# Altium PCB RemoteCtrl-V2.PcbDoc (part 2 of 4)
Units mil, origin at the board's own origin, x right, y up, seen from the top; angles counter-clockwise.
Board outline 3937.01 x 3700.79 mil, 2 copper layers (Top Layer, Bottom Layer); 118 components, 110 nets, 611 pads, 205 vias.
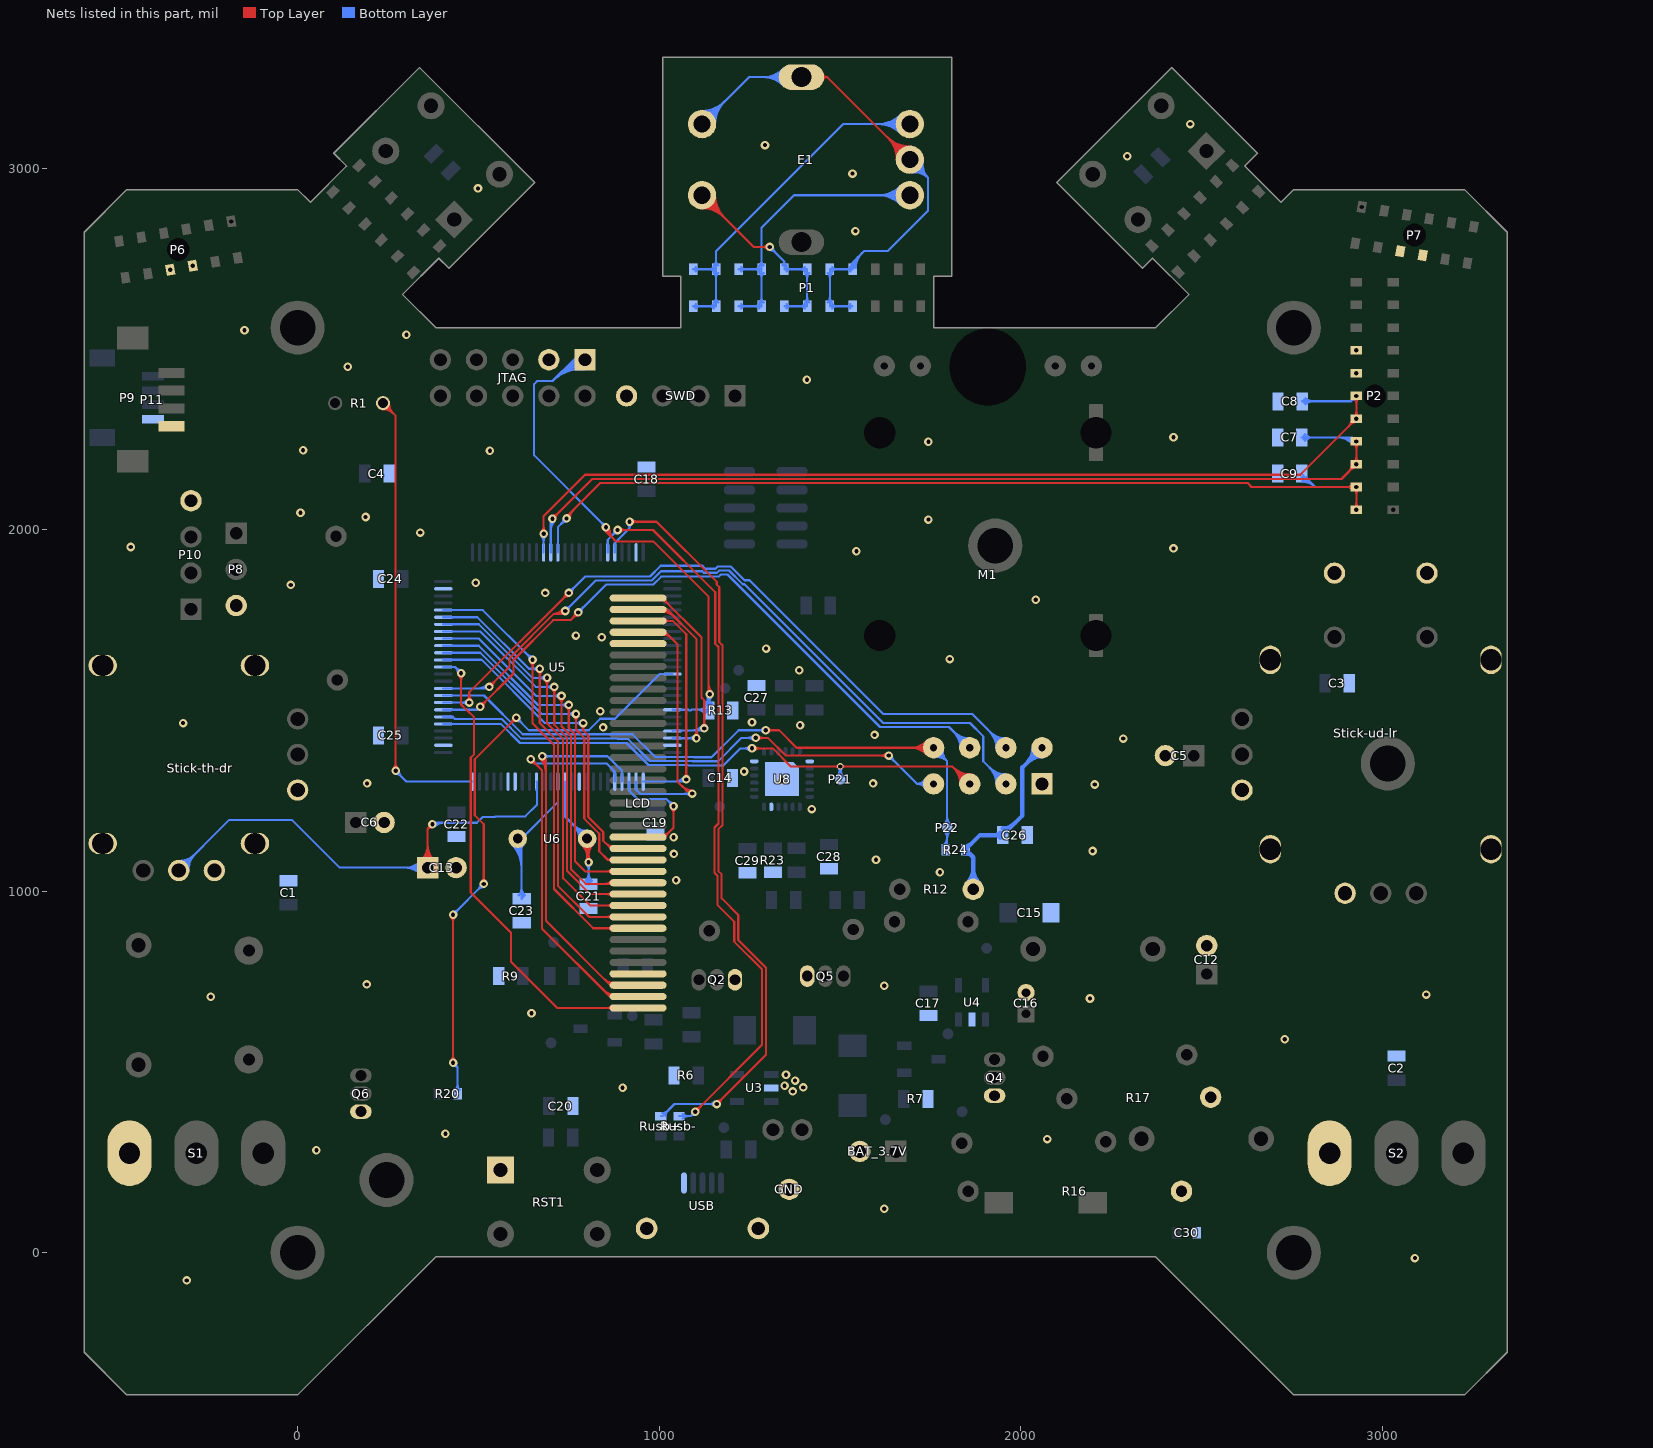
[diagram p2: the nets of this part, all layers, seen from the top]

## Via types
v1: diameter 23.62, hole 11.81, Top Layer to Bottom Layer, 200 vias
v2: diameter 17.72, hole 11.81, Top Layer to Bottom Layer, 3 vias
v3: diameter 17, hole 17, Top Layer to Bottom Layer, tented both sides, 2 vias

## Nets (pads, with @x,y where several pads share a name; then routed paths per layer and width w, separated by ;. In a path a pad name is that pad's centre, name@x,y a point inside that pad or via, vN(x,y) a via of type N, cw(c..) or ccw(c..) an arc to the next point about the centre after c; other vN are vias at no path point) (continued)
BOOT: JTAG.1 R13.1 U5.94 | length 2329.8
  Top Layer w6: v1@849.81,2007 ccw(c871.08,2007) 856.04,1991.96 ; v1@850.36,1998.59 cw(c849.23,1995) 853,1995 ; v1(853,2007) 853,1995 ; v1@855.64,1998.59 ccw(c856.77,1995) 853,1995 ; v1@855.81,2007 ccw(c891.57,2007) 866.28,1981.72 ; v1@861.81,2007 ccw(c912.05,2007) 876.53,1971.47 ; v1@1133.77,1551.23 ccw(c1125.97,1559.03) 1137,1559.03 ccw(c1154.03,1559.03) v1@1141.99,1546.99 ; 1137,1573.51 ccw(c1168.52,1573.51) v1@1146.23,1551.23 ; v1(1140,1545) 1137,1548 1137,1814.02 983.4,1967.61 880.39,1967.61 853,1995
  Bottom Layer w6: 714.43,2420.28 cw(c785.75,2348.96) JTAG.1@793.44,2449.53 ; 723.66,2429.51 cw(c787.06,2366.11) JTAG.1@793.89,2455.51 ; 732.89,2438.74 cw(c788.37,2383.26) JTAG.1@794.35,2461.5 ; 742.12,2447.97 cw(c789.68,2400.41) JTAG.1@794.81,2467.48 ; 751.35,2457.21 cw(c790.99,2417.56) JTAG.1@795.27,2473.46 ; 760.59,2466.44 cw(c792.31,2434.72) JTAG.1@795.72,2479.44 ; JTAG.1@768.77,2466.02 ccw(c764.15,2465.32) 764.15,2470 ; JTAG.1@768.77,2473.97 cw(c764.15,2474.67) 764.15,2470 ; JTAG.1@792.98,2443.55 ccw(c784.44,2331.81) 705.2,2411.05 ; JTAG.1@795,2470 764.15,2470 ; v1@844.19,2007 ccw(c822.92,2007) 837.96,2022.04 ccw(c853,2037.08) v1@853,2015.81 ; v1(853,2007) 654.2,2205.8 654.2,2402.05 663.2,2411.05 705.2,2411.05 ; U5.94@1036.94,1501.89 1081.68,1501.89 1083.57,1500 1087.74,1500 1090.55,1502.81 1134.19,1502.81 R13.1@1137,1500 1137,1547.24 1139.24,1545 v1(1140,1545) ; 1099.44,1502.81 cw(c1099.44,1462.43) R13.1@1127.99,1490.98 ; 1113.01,1502.81 ccw(c1113.01,1523.99) R13.1@1127.99,1509.01 ; 1113.92,1502.81 cw(c1113.92,1476.92) R13.1@1132.23,1495.23 ; R13.1@1127.99,1518.27 ccw(c1106.22,1540.03) 1137,1540.03 ccw(c1167.78,1540.03) R13.1@1146.01,1518.27 ; R13.1@1132.16,1521.95 cw(c1156.04,1515.55) v1@1144.21,1537.26 ; R13.1@1132.23,1514.02 ccw(c1120.71,1525.54) 1137,1525.54 ccw(c1153.29,1525.54) R13.1@1141.77,1514.02 ; v1@1132.37,1540.59 cw(c1118.71,1532.71) 1133.95,1528.63 ; v1@1133.77,1538.77 cw(c1125.97,1530.97) 1137,1530.97 cw(c1154.03,1530.97) v1@1141.99,1543.01 ; v1@1135.6,1537.37 cw(c1132.1,1531.32) 1138.85,1533.13 ; R13.1@1137,1516.48 cw(c1168.52,1516.48) v1@1146.23,1538.77 ; 705.2,2411.05 764.15,2470
BUZZER: R20.2 U5.89 | length 1941.2
  Top Layer w6: v1@423.77,531.23 ccw(c408.73,546.27) 430,546.27 ccw(c451.27,546.27) v1@436.23,531.23 ; v1@423.77,928.77 cw(c408.73,913.73) 430,913.73 cw(c451.27,913.73) v1@436.23,928.77 ; v1(430,525) v1(430,935) ; v1@508.77,1026.23 ccw(c493.73,1041.27) 515,1041.27 ccw(c536.27,1041.27) v1@521.23,1026.23 ; v1(515,1020) 515,1185 490,1210 490,1365 v1(605,1480) ; v1@596.19,1480 cw(c574.92,1480) 589.96,1464.96 cw(c605,1449.92) v1@605,1471.19
  Bottom Layer w6: v1(430,525) 442.56,512.44 ; v1(430,935) v1(515,1020) ; v1@430,943.81 ccw(c430,965.08) 445.04,950.04 ccw(c460.08,935) v1@438.81,935 ; v1@431.19,516.27 cw(c433.02,502.9) 442.56,512.44 ; R20.2@436.33,450.17 ccw(c421.29,465.21) 442.56,465.21 ccw(c463.83,465.21) R20.2@448.79,450.17 ; v1@438.73,523.81 ccw(c452.1,521.98) 442.56,512.44 ; R20.2@442.56,440 442.56,512.44 ; v1@506.19,1020 cw(c484.92,1020) 499.96,1004.96 cw(c515,989.92) v1@515,1011.19 ; v1@605,1471.19 cw(c605,1449.92) 620.04,1464.96 cw(c635.08,1480) v1@613.81,1480 ; v1(605,1480) 639.81,1445.19 805.19,1445.19 837,1477 878,1477 1001.32,1600.32 U5.89@1036.94,1600.32
DB0: LCD.1 U5.97 | length 675.3
  Top Layer w6: LCD.1@941.77,1810.67 1008.65,1810.67 1117.19,1702.13 1117.19,1554.45 1117.19,1535.55 1125,1527.74 v1(1125,1450) ; LCD.1@1010.67,1803.83 cw(c1010.67,1792.18) 1018.9,1800.42 ; LCD.1@1017.51,1810.67 ccw(c1038.91,1810.67) 1023.78,1795.54 ; v1@1118.77,1456.23 ccw(c1103.73,1471.27) 1125,1471.27 ccw(c1146.27,1471.27) v1@1131.23,1456.23
  Bottom Layer w6: U5.97@1036.94,1442.84 1038.91,1444.81 1115.86,1444.81 v1@1117.83,1442.84 ; U5.97@1059.14,1441.89 cw(c1066.18,1434.85) 1066.18,1444.81 ; 1091.2,1444.81 ccw(c1091.2,1483.8) v1@1118.77,1456.23 ; 1105.69,1444.81 ccw(c1105.69,1469.31) v1@1123.01,1451.99
DB1: LCD.2 U5.98 | length 689
  Top Layer w6: LCD.2@941.77,1779.17 1021.94,1779.17 ; LCD.2@1010.67,1772.33 cw(c1010.67,1728.6) 1041.59,1759.52 ; LCD.2@1010.67,1778.33 cw(c1010.67,1749.09) 1031.35,1769.77 ; LCD.2@1010.67,1784.33 cw(c1010.67,1769.57) 1021.1,1780.01 ; LCD.2@1016.74,1776.02 cw(c1021.94,1773.31) 1021.94,1779.17 ; LCD.2@1016.74,1782.33 ccw(c1021.94,1785.03) 1021.94,1779.17 ; v1@1096.92,1429.38 ccw(c1081.88,1444.42) 1103.15,1444.42 ccw(c1124.42,1444.42) v1@1109.38,1429.38 ; v1@1100,1426.3 v1(1103.15,1423.15) 1103.15,1697.96 1021.94,1779.17
  Bottom Layer w6: U5.98@1036.94,1423.15 v1(1103.15,1423.15) ; v1@1096.92,1416.92 ccw(c1081.88,1401.88) 1081.88,1423.15 ccw(c1081.88,1444.42) v1@1096.92,1429.38
DB2: LCD.3 U5.1 | length 819.4
  Top Layer w6: LCD.3@941.77,1747.68 1037.88,1747.68 1075,1710.56 v1(1075,1309) ; LCD.3@1015.51,1742.84 cw(c1027.19,1731.16) 1027.19,1747.68 cw(c1027.19,1764.2) LCD.3@1015.51,1752.52 ; v1@1068.77,1315.23 ccw(c1053.73,1330.27) 1075,1330.27 ccw(c1096.27,1330.27) v1@1081.23,1315.23
  Bottom Layer w6: U5.1@956.22,1303.06 1063.06,1303.06 1061.13,1305 ; 1039.4,1303.06 ccw(c1039.4,1344.6) v1@1068.77,1315.23 ; 1053.88,1303.06 ccw(c1053.88,1330.12) v1@1073.01,1310.99 ; v1@1066.22,1309.7 cw(c1061.13,1310.11) 1061.13,1305 ; v1@1066.3,1310.38 cw(c1060,1311.38) 1060,1305 ; v1(1075,1309) 1064,1309 1060,1305 ; 1060,1305 1061.13,1305 ; 1063.39,1305 cw(c1063.39,1297.39) 1068.77,1302.77 ccw(c1063.39,1297.39) 1063.39,1305
DB3: LCD.4 U5.2 | length 876.2
  Top Layer w6: LCD.4@941.77,1716.18 1017.82,1716.18 1051,1683 1051,1303 1085,1269 1093,1269 v1(1092,1270) ; LCD.4@1010.67,1709.34 cw(c1010.67,1675.56) 1034.56,1699.44 ; LCD.4@1010.67,1715.34 cw(c1010.67,1696.04) 1024.31,1709.69 ; 1063.3,1290.7 ccw(c1092,1319.4) v1@1092,1278.81 ; 1073.54,1280.46 ccw(c1092,1298.91) v1@1092,1272.81
  Bottom Layer w6: U5.2@936.53,1303.06 936.53,1280.47 948,1269 1091,1269 v1(1092,1270) ; U5.2@937.87,1281.8 ccw(c944.31,1281.8) 939.75,1277.25 ; 1068.31,1269 ccw(c1068.31,1293.69) v1@1085.77,1276.23 ; 1073.14,1269 cw(c1073.14,1251.14) v1@1085.77,1263.77
DB4: LCD.22 U5.3 | length 437.1
  Top Layer w6: LCD.22@941.77,1149.25 1014.25,1149.25 1040,1175 v1(1040,1235) ; LCD.22@1010.67,1156.09 ccw(c1010.67,1181.26) 1028.47,1163.47 ; LCD.22@1017.51,1149.25 cw(c1025.38,1149.25) 1019.82,1154.82 ; v1@1033.77,1228.77 cw(c1018.73,1213.73) 1040,1213.73 cw(c1061.27,1213.73) v1@1046.23,1228.77
  Bottom Layer w6: U5.3@916.85,1303.06 916.85,1278.15 940,1255 1020,1255 v1(1040,1235) ; U5.3@918.18,1281.8 ccw(c930.21,1281.8) 921.71,1273.29 ; v1@1031.19,1235 ccw(c1009.92,1235) 1024.96,1250.04 ccw(c1040,1265.08) v1@1040,1243.81
DB5: LCD.35 U5.4 | length 1243.3
  Top Layer w6: v1@670.77,1366.77 cw(c631.59,1327.59) 687,1327.59 ; v1@675.01,1371.01 cw(c646.07,1342.07) 687,1342.07 ; v1(677,1373) 687,1363 ; v1@679.25,1375.25 cw(c660.56,1356.56) 687,1356.56 ; v1@679.85,1364.66 cw(c682.09,1358.09) 687,1363 ; v1@685.34,1370.15 ccw(c691.91,1367.91) 687,1363 ; 848.09,756.91 ccw(c872.87,781.7) LCD.35@872.87,746.65 ; 858.33,746.67 ccw(c872.87,761.21) LCD.35@872.87,740.65 ; LCD.35@941.77,739.8 865.2,739.8 687,918 687,1363
  Bottom Layer w6: v1(677,1373) 857,1373 897.16,1332.84 U5.4@897.17,1303.06 ; v1@683.23,1366.77 cw(c698.27,1351.73) 698.27,1373 cw(c698.27,1394.27) v1@683.23,1379.23
DB6: LCD.36 U5.5 | length 1253.2
  Top Layer w6: v1@645,1356.19 cw(c645,1334.92) 660.04,1349.96 cw(c675.08,1365) v1@653.81,1365 ; v1(645,1365) 645,1370 640,1370 676,1334 676,896.31 864.01,708.31 LCD.36@941.77,708.31 ; 846.06,726.26 ccw(c872.87,753.07) LCD.36@872.87,715.15 ; 856.3,716.01 ccw(c872.87,732.59) LCD.36@872.87,709.15
  Bottom Layer w6: v1(645,1365) 645,1370 640,1370 657,1353 ; v1@646.51,1356.32 cw(c648.56,1344.56) 657,1353 ; v1@653.68,1363.49 ccw(c665.44,1361.44) 657,1353 ; 870.55,1337.83 cw(c857.05,1324.32) U5.5@876.15,1324.32 ; U5.5@877.48,1303.06 877.48,1330.9 855.38,1353 657,1353
DB7: LCD.37 U5.38 | length 1417
  Top Layer w6: v1@445.97,1596.82 cw(c430.93,1581.78) 452.2,1581.78 cw(c473.47,1581.78) v1@458.43,1596.82 ; v1(452.2,1603.05) 452.2,1516.36 466.79,1501.76 467.35,1501.76 488.38,1480.73 488.38,1378.94 479,1369.56 479,996 590.19,884.81 590.19,804.81 718.19,676.81 LCD.37@941.77,676.81 ; LCD.37@868.03,671.97 ccw(c856.35,660.29) 856.35,676.81 ccw(c856.35,693.33) LCD.37@868.03,681.65
  Bottom Layer w6: U5.38@403.06,1620 435.24,1620 v1(452.2,1603.05) ; v1@443.39,1603.05 ccw(c422.11,1603.05) 437.16,1618.09 ccw(c452.2,1633.13) v1@452.2,1611.86
DB8: LCD.23 U5.39 | length 1013
  Top Layer w6: v1@784.05,1458.5 cw(c771.71,1445) 790,1445 ; v1(790,1465) 790,1445 ; v1@795.95,1458.5 ccw(c808.29,1445) 790,1445 ; 851.58,1133.42 ccw(c872.87,1154.71) LCD.23@872.87,1124.6 ; 861.83,1123.17 ccw(c872.87,1134.22) LCD.23@872.87,1118.6 ; LCD.23@941.77,1117.76 867.24,1117.76 845.65,1139.35 845.65,1163.47 804,1205.12 804,1431 790,1445
  Bottom Layer w6: U5.39@403.06,1639.69 403.38,1640 509.06,1640 684.06,1465 v1(790,1465) ; v1@783.77,1458.77 ccw(c768.73,1443.73) 768.73,1465 ccw(c768.73,1486.27) v1@783.77,1471.23
DB9: LCD.24 U5.40 | length 1047.6
  Top Layer w6: v1@763.77,1483.77 cw(c748.73,1468.73) 770,1468.73 cw(c791.27,1468.73) v1@776.23,1483.77 ; v1(770,1490) 770,1446.91 793,1423.91 793,1200.57 834.65,1158.91 834.65,1110.35 858.74,1086.26 ; LCD.24@867.51,1082.02 ccw(c858.74,1075.09) 858.74,1086.26 ; LCD.24@867.51,1090.5 cw(c858.74,1097.43) 858.74,1086.26 ; LCD.24@941.77,1086.26 858.74,1086.26
  Bottom Layer w6: U5.40@403.06,1659.37 505.25,1659.37 674.62,1490 v1(770,1490) ; v1@763.77,1483.77 ccw(c748.73,1468.73) 748.73,1490 ccw(c748.73,1511.27) v1@763.77,1496.23
DB10: LCD.25 U5.41 | length 1133.2
  Top Layer w6: v1@743.77,1508.77 cw(c728.73,1493.73) 750,1493.73 cw(c771.27,1493.73) v1@756.23,1508.77 ; v1(750,1515) 750,1451.35 767.47,1433.88 767.47,1082.53 795.24,1054.76 LCD.25@941.77,1054.76 ; LCD.25@868.03,1049.92 ccw(c856.35,1038.24) 856.35,1054.76 ccw(c856.35,1071.28) LCD.25@868.03,1059.6
  Bottom Layer w6: U5.41@403.06,1679.06 501.12,1679.06 665.18,1515 v1(750,1515) ; v1@743.77,1508.77 ccw(c728.73,1493.73) 728.73,1515 ccw(c728.73,1536.27) v1@743.77,1521.23
DB11: LCD.26 U5.42 | length 1184.3
  Top Layer w6: v1@723.77,1533.77 cw(c708.73,1518.73) 730,1518.73 cw(c751.27,1518.73) v1@736.23,1533.77 ; v1(730,1540) 730,1455.8 756.47,1429.33 756.47,1060.51 796.79,1020.19 938.69,1020.19 LCD.26@941.77,1023.27 ; 848.92,1020.19 ccw(c848.92,1047.22) LCD.26@868.03,1028.11 ; 863.41,1020.19 ccw(c863.41,1032.73) LCD.26@872.28,1023.86
  Bottom Layer w6: U5.42@403.06,1698.74 501.26,1698.74 660,1540 v1(730,1540) ; v1@723.77,1533.77 ccw(c708.73,1518.73) 708.73,1540 ccw(c708.73,1561.27) v1@723.77,1546.23
DB12: LCD.27 U5.43 | length 1209.9
  Top Layer w6: v1@703.77,1558.77 cw(c688.73,1543.73) 710,1543.73 cw(c731.27,1543.73) v1@716.23,1558.77 ; v1(710,1565) 710,1460.24 745.47,1424.77 745.47,1055.95 809.65,991.77 LCD.27@941.77,991.77 ; LCD.27@868.03,986.93 ccw(c856.35,975.25) 856.35,991.77 ccw(c856.35,1008.29) LCD.27@868.03,996.61
  Bottom Layer w6: U5.43@403.06,1718.43 505.46,1718.43 658.89,1565 v1(710,1565) ; v1@703.77,1558.77 ccw(c688.73,1543.73) 688.73,1565 ccw(c688.73,1586.27) v1@703.77,1571.23
DB13: LCD.28 U5.44 | length 1252.4
  Top Layer w6: v1@683.77,1583.77 cw(c668.73,1568.73) 690,1568.73 cw(c711.27,1568.73) v1@696.23,1583.77 ; v1(690,1590) 690,1464.69 734.47,1420.21 734.47,1035.53 809.72,960.28 LCD.28@941.77,960.28 ; LCD.28@868.03,955.44 ccw(c856.35,943.76) 856.35,960.28 ccw(c856.35,976.79) LCD.28@868.03,965.11
  Bottom Layer w6: U5.44@403.06,1738.11 501.33,1738.11 649.44,1590 v1(690,1590) ; v1@683.77,1583.77 ccw(c668.73,1568.73) 668.73,1590 ccw(c668.73,1611.27) v1@683.77,1596.23
DB14: LCD.29 U5.45 | length 1297.1
  Top Layer w6: v1@663.77,1608.77 cw(c648.73,1593.73) 670,1593.73 cw(c691.27,1593.73) v1@676.23,1608.77 ; v1(670,1615) 670,1465 720,1415 720,1015 806.22,928.78 LCD.29@941.77,928.78 ; LCD.29@868.03,923.94 ccw(c856.35,912.26) 856.35,928.78 ccw(c856.35,945.3) LCD.29@868.03,933.62
  Bottom Layer w6: U5.45@403.06,1757.79 497.2,1757.8 640,1615 v1(670,1615) ; v1@663.77,1608.77 ccw(c648.73,1593.73) 648.73,1615 ccw(c648.73,1636.27) v1@663.77,1621.23
DB15: LCD.30 U5.46 | length 1332.9
  Top Layer w6: v1@643.77,1633.77 cw(c628.73,1618.73) 650,1618.73 cw(c671.27,1618.73) v1@656.23,1633.77 ; v1(650,1640) 650,1464.2 709,1405.2 709,1006 817.72,897.28 LCD.30@941.77,897.28 ; LCD.30@868.03,892.44 ccw(c856.35,880.76) 856.35,897.28 ccw(c856.35,913.8) LCD.30@868.03,902.12
  Bottom Layer w6: U5.46@403.06,1777.48 512.52,1777.48 v1(650,1640) ; v1@641.19,1640 ccw(c619.92,1640) 634.96,1655.04 ccw(c650,1670.08) v1@650,1648.81
DM: Rusb-.2 U5.70 | length 2199.4
  Top Layer w6: v1(885,1999) 983,1999 1155.19,1826.81 1155.19,1684.24 1164.19,1675.24 1164.19,1187.19 1153,1176 1153,1050.89 1162,1041.89 1162,961.38 1208,915.38 1208,860.38 1284.81,783.57 1284.81,574.81 v1(1100,390) ; v1@891.23,1992.77 cw(c906.27,1977.73) 906.27,1999 cw(c906.27,2020.27) v1@891.23,2005.23 ; v1@1100,398.81 ccw(c1100,420.08) 1115.04,405.04 ccw(c1130.08,390) v1@1108.81,390
  Bottom Layer w6: U5.70@857.79,1936.94 857.79,1971.79 v1(885,1999) ; v1@876.19,1999 cw(c854.92,1999) 869.96,1983.96 cw(c885,1968.92) v1@885,1990.19 ; Rusb-.2@1055,377.56 1087.56,377.56 ; Rusb-.2@1065.17,371.33 cw(c1080.21,356.29) 1080.21,377.56 cw(c1080.21,398.83) Rusb-.2@1065.17,383.79 ; v1@1091.28,388.74 cw(c1078.25,386.86) 1087.56,377.56 ; v1@1098.74,381.28 ccw(c1096.86,368.25) 1087.56,377.56 ; v1(1100,390) 1087.56,377.56
DP: Rusb+.2 U5.71 | length 2318.5
  Top Layer w6: v1(918.2,2022.05) 992.95,2022.05 1159.41,1855.59 1159.41,1848.01 1166.19,1841.23 1166.19,1688.79 1175.19,1679.79 1175.19,1182.63 1164,1171.44 1164,1055.44 1173,1046.44 1173,979.94 1219,933.94 1219,864.94 1295.81,788.13 1295.81,547.66 v1(1159.2,411.05) ; v1@924.43,2015.82 cw(c939.47,2000.78) 939.47,2022.05 cw(c939.47,2043.32) v1@924.43,2028.28 ; v1@1159.2,419.86 ccw(c1159.2,441.13) 1174.24,426.09 ccw(c1189.28,411.05) v1@1168.01,411.05
  Bottom Layer w6: U5.71@877.48,1936.94 877.48,1963.26 918.2,2003.97 ; U5.71@878.81,1958.2 cw(c894.23,1958.2) 883.33,1969.1 ; v1@912.77,2015.11 cw(c904.06,2003.97) 918.2,2003.97 ; v1(918.2,2022.05) 918.2,2003.97 ; v1@923.62,2015.11 ccw(c932.33,2003.97) 918.2,2003.97 ; Rusb+.2@1005,377.56 1009.2,377.56 1042.68,411.05 v1(1159.2,411.05) ; Rusb+.2@1008.94,386.37 ccw(c1008.94,408.27) 1024.42,392.78 ; Rusb+.2@1017.75,377.56 cw(c1038.4,377.56) 1023.8,392.16 ; v1@1152.97,404.82 ccw(c1137.93,389.78) 1137.93,411.05 ccw(c1137.93,432.32) v1@1152.97,417.28
DR_ADC: C13.A Stick-th-dr.2 U5.16 | length 2082.7
  Top Layer w6: C13.A@340.87,1083.76 ccw(c295.59,1129.04) 359.63,1129.04 ccw(c423.67,1129.04) C13.A@378.39,1083.76 ; C13.A@345.12,1079.51 ccw(c310.07,1114.56) 359.63,1114.56 ccw(c409.19,1114.56) C13.A@374.15,1079.51 ; C13.A@349.36,1075.27 ccw(c324.56,1100.07) 359.63,1100.07 ccw(c394.7,1100.07) C13.A@369.9,1075.27 ; C13.A@359.63,1065 359.63,1171.63 ; v1@364.22,1184.24 cw(c348.4,1182.86) 359.63,1171.63 ; v1@372.24,1176.22 ccw(c370.86,1160.4) 359.63,1171.63 ; v1(373,1185) 359.63,1171.63
  Bottom Layer w6: Stick-th-dr.2@-328.69,1057.15 -188.79,1197.05 -15.85,1197.05 116.2,1065 C13.A@355.63,1065 ; Stick-th-dr.2@-328.69,1071.68 ccw(c-328.69,1106.75) -303.88,1081.95 ccw(c-279.09,1057.15) Stick-th-dr.2@-314.16,1057.15 ; Stick-th-dr.2@-328.69,1077.68 ccw(c-328.69,1127.24) -293.64,1092.19 ccw(c-258.6,1057.15) Stick-th-dr.2@-308.16,1057.15 ; Stick-th-dr.2@-328.69,1083.68 ccw(c-328.69,1147.72) -283.4,1102.44 ccw(c-238.12,1057.15) Stick-th-dr.2@-302.16,1057.15 ; C13.A@340.87,1046.24 ccw(c295.59,1000.96) 295.59,1065 ccw(c295.59,1129.04) C13.A@340.87,1083.76 ; C13.A@345.12,1050.48 ccw(c310.07,1015.44) 310.07,1065 ccw(c310.07,1114.56) C13.A@345.12,1079.51 ; C13.A@349.36,1054.73 ccw(c324.56,1029.93) 324.56,1065 ccw(c324.56,1100.07) C13.A@349.36,1075.27 ; v1(373,1185) 377,1189 495.89,1189 511.89,1205 545,1205 546.76,1206.76 629.78,1206.76 662.34,1239.32 662.34,1301.67 U5.16@660.94,1303.06 ; v1@374.99,1183.01 cw(c389.44,1168.56) 389.44,1189 ; v1@379.23,1178.77 cw(c403.93,1154.07) 403.93,1189 ; v1@379.23,1191.23 ccw(c384.61,1196.61) 384.61,1189 ; U5.16@660,1280.86 cw(c654.37,1275.23) 662.34,1275.23
E01-3V3: C26.2 M1.2 R12.2 R24.2 | length 813.9
  Bottom Layer w12: R24.2@1847.56,1105.25 cw(c1847.56,1081.72) 1864.2,1098.36 ; R24.2@1847.56,1124.75 ccw(c1847.56,1148.28) 1864.2,1131.64 ; R12.2@1852.22,1021.64 ccw(c1812.06,1061.81) 1868.86,1061.81 ccw(c1925.66,1061.81) R12.2@1885.49,1021.64 ; R12.2@1868.86,1005.01 1868.86,1093.7 R24.2@1847.56,1115 1887.56,1155 C26.2@1951.07,1155 2005,1208.93 2005,1342.4 M1.2@2059.33,1396.73 ; C26.2@1944.18,1148.11 ccw(c1927.54,1131.47) 1927.54,1155 ccw(c1927.54,1178.53) C26.2@1944.18,1161.89 ; C26.2@1951.07,1174 ccw(c1951.07,1219.87) 1983.51,1187.43 ; M1.2@2035.8,1396.73 cw(c1979,1396.73) 2019.17,1356.57 cw(c2059.33,1316.4) M1.2@2059.33,1373.2
E01_CE: M1.3 U5.35 | length 2405.8
  Top Layer w6: v1(530,1565) 586,1621 586,1644.11 708.89,1767 ; v1@530,1573.81 ccw(c530,1595.08) 545.04,1580.04 ccw(c560.08,1565) v1@538.81,1565 ; 719.99,1767 ccw(c719.99,1788.11) v1@737.65,1776.54 ; 731.1,1767 ccw(c731.1,1780.83) v1@742.67,1773.25 ; v1@732.63,1779.83 cw(c708.89,1795.38) 708.89,1767 ; v1(740,1775) 732,1767 708.89,1767
  Bottom Layer w6: U5.35@403.06,1560.95 525.95,1560.95 v1(530,1565) ; 498.94,1560.95 ccw(c498.94,1596.06) v1@523.77,1571.23 ; 513.42,1560.95 ccw(c513.42,1581.58) v1@528.01,1566.99 ; 518.52,1560.95 cw(c518.52,1553.52) v1@523.77,1558.77 ; v1(740,1775) 824.35,1859.35 979.55,1859.35 1005.21,1885 1119.44,1885 1123.44,1881 1160.43,1881 1166.46,1887.03 1193.53,1887.03 1231.56,1849 1236,1849 1620,1465 1860,1465 1896.86,1428.14 1896.86,1359.21 M1.3@1959.33,1296.73 ; v1@740,1783.81 ccw(c740,1805.08) 755.04,1790.04 ccw(c770.08,1775) v1@748.81,1775 ; M1.3@1932.8,1296.73 ccw(c1868.76,1296.73) 1914.04,1342.02 ccw(c1959.33,1387.3) M1.3@1959.33,1323.26 ; M1.3@1938.8,1296.73 ccw(c1889.24,1296.73) 1924.29,1331.78 ccw(c1959.33,1366.82) M1.3@1959.33,1317.26 ; M1.3@1944.8,1296.73 ccw(c1909.73,1296.73) 1934.53,1321.53 ccw(c1959.33,1346.33) M1.3@1959.33,1311.26
E01_CSN: M1.4 U5.33 | length 2310.3
  Top Layer w6: v1@468.77,1527.81 ccw(c453.73,1542.85) 475,1542.85 ccw(c496.27,1542.85) v1@481.23,1527.81 ; v1(475,1521.58) 475,1550 v1(750,1825) ; v1@741.19,1825 cw(c719.92,1825) 734.96,1809.96 cw(c750,1794.92) v1@750,1816.19
  Bottom Layer w6: U5.33@403.06,1521.57 v1(475,1521.58) ; v1@468.77,1515.34 ccw(c453.73,1500.3) 453.73,1521.58 ccw(c453.73,1542.85) v1@468.77,1527.81 ; v1(750,1825) 795.35,1870.35 975,1870.35 1004.65,1900 1120,1900 1128,1892 1155.87,1892 1161.9,1898.03 1198.08,1898.03 1236.11,1860 1250,1860 1620,1490 1866.06,1490 M1.4@1959.33,1396.73 ; v1@750,1833.81 ccw(c750,1855.08) 765.04,1840.04 ccw(c780.08,1825) v1@758.81,1825 ; M1.4@1932.8,1396.73 ccw(c1868.76,1396.73) 1914.04,1442.02 ccw(c1959.33,1487.3) M1.4@1959.33,1423.26 ; M1.4@1938.8,1396.73 ccw(c1889.24,1396.73) 1924.29,1431.78 ccw(c1959.33,1466.82) M1.4@1959.33,1417.26 ; M1.4@1944.8,1396.73 ccw(c1909.73,1396.73) 1934.53,1421.53 ccw(c1959.33,1446.33) M1.4@1959.33,1411.26
E01_IRQ: M1.8 P22.1 R24.1 U5.34 | length 2345.4
  Top Layer w6: v1(1295,1445) 1331.98,1445 1380.25,1396.73 M1.8@1759.33,1396.73 ; v1@1301.23,1438.77 cw(c1316.27,1423.73) 1316.27,1445 cw(c1316.27,1466.27) v1@1301.23,1451.23 ; 1709.77,1396.73 cw(c1709.77,1347.17) M1.8@1744.82,1382.22 ; 1709.78,1396.73 ccw(c1709.78,1446.29) M1.8@1744.82,1411.25 ; M1.8@1740.57,1377.97 ccw(c1695.29,1332.69) 1695.29,1396.73 ccw(c1695.29,1460.77) M1.8@1740.57,1415.49 ; M1.8@1749.06,1386.46 ccw(c1724.26,1361.66) 1724.26,1396.73 ccw(c1724.26,1431.8) M1.8@1749.06,1407
  Bottom Layer w6: U5.34@403.06,1541.26 403.19,1541.39 515.6,1541.39 622.79,1434.19 925.81,1434.19 989,1371 1095.98,1371 1096.79,1370.19 1145.19,1370.19 1220,1445 v1(1295,1445) ; v1@1288.77,1438.77 ccw(c1273.73,1423.73) 1273.73,1445 ccw(c1273.73,1466.27) v1@1288.77,1451.23 ; M1.8@1759.33,1396.73 1796.86,1359.21 ; M1.8@1762.23,1376.41 cw(c1766.58,1345.91) 1788.37,1367.69 cw(c1810.16,1389.48) M1.8@1779.65,1393.83 ; M1.8@1763.08,1370.47 cw(c1768.7,1331.05) 1796.86,1359.21 ; M1.8@1785.59,1392.99 ccw(c1825.01,1387.36) 1796.86,1359.21 ; R24.1@1786.21,1125.17 ccw(c1760.5,1150.87) 1796.86,1150.87 ; P22.1@1788.51,1167.51 cw(c1768.37,1147.37) 1796.86,1147.37 ; P22.1@1788.51,1184.49 ccw(c1768.37,1204.63) 1796.86,1204.63 ; R24.1@1790.45,1120.92 ccw(c1774.99,1136.39) 1796.86,1136.39 ; R24.1@1792.44,1115 1796.86,1119.42 1796.86,1359.21 ; 1796.86,1146.69 cw(c1826.31,1146.69) P22.1@1805.49,1167.51 ; 1796.86,1205.31 ccw(c1826.31,1205.31) P22.1@1805.49,1184.49
E01_MISO: M1.7 U5.31 | length 1731
  Top Layer w6: v1(1267,1424) 1301,1424 1350,1375 v1(1635,1375) ; v1@1273.23,1417.77 cw(c1288.27,1402.73) 1288.27,1424 cw(c1288.27,1445.27) v1@1273.23,1430.23 ; v1@1628.77,1368.77 ccw(c1613.73,1353.73) 1613.73,1375 ccw(c1613.73,1396.27) v1@1628.77,1381.23
  Bottom Layer w6: U5.31@403.06,1482.21 429.04,1482.21 435.2,1476.05 564.5,1476.05 618.73,1421.81 884.86,1421.81 886.11,1420.56 914.44,1420.56 975,1360 1091.43,1360 1092.24,1359.19 1163.19,1359.19 1228,1424 v1(1267,1424) ; U5.31@424.32,1480.87 cw(c424.32,1466.28) 434.64,1476.6 ; v1@1260.77,1417.77 ccw(c1245.73,1402.73) 1245.73,1424 ccw(c1245.73,1445.27) v1@1260.77,1430.23 ; v1@1635,1366.19 cw(c1635,1344.92) 1650.04,1359.96 cw(c1665.08,1375) v1@1643.81,1375 ; v1(1635,1375) 1713.27,1296.73 ; M1.7@1736.39,1283.42 ccw(c1713.27,1270.01) 1713.27,1296.73 ; M1.7@1736.39,1310.05 cw(c1713.27,1323.46) 1713.27,1296.73 ; M1.7@1741.58,1286.43 ccw(c1723.69,1276.05) 1723.69,1296.73 ccw(c1723.69,1317.42) M1.7@1741.58,1307.04 ; M1.7@1759.33,1296.73 1713.27,1296.73
E01_MOSI: M1.6 U5.32 | length 2165.7
  Top Layer w6: v1(505,1510) 597,1602 597,1639.56 707.25,1749.81 754.81,1749.81 v1(776,1771) ; v1@505,1518.81 ccw(c505,1540.08) 520.04,1525.04 ccw(c535.08,1510) v1@513.81,1510 ; v1@767.19,1771 cw(c745.92,1771) 760.96,1755.96 cw(c776,1740.92) v1@776,1762.19
  Bottom Layer w6: U5.32@403.06,1501.89 403.19,1501.76 496.76,1501.76 v1(505,1510) ; v1(776,1771) 853.35,1848.35 984.11,1848.35 1005.76,1870 1164.98,1870 1171.01,1876.03 1188.97,1876.03 1611,1454 1802.06,1454 M1.6@1859.33,1396.73 ; v1@776,1779.81 ccw(c776,1801.08) 791.04,1786.04 ccw(c806.08,1771) v1@784.81,1771 ; M1.6@1832.8,1396.73 ccw(c1768.76,1396.73) 1814.04,1442.02 ccw(c1859.33,1487.3) M1.6@1859.33,1423.26 ; M1.6@1838.8,1396.73 ccw(c1789.24,1396.73) 1824.29,1431.78 ccw(c1859.33,1466.82) M1.6@1859.33,1417.26 ; M1.6@1844.8,1396.73 ccw(c1809.73,1396.73) 1834.53,1421.53 ccw(c1859.33,1446.33) M1.6@1859.33,1411.26
E01_SCK: M1.5 P21.1 U5.30 | length 2060.6
  Top Layer w6: v1(1257,1395) 1314,1395 1364,1345 v2(1501,1345) 1811.06,1345 M1.5@1859.33,1296.73 ; v1@1263.23,1388.77 cw(c1278.27,1373.73) 1278.27,1395 cw(c1278.27,1416.27) v1@1263.23,1401.23 ; v2@1496.86,1340.86 ccw(c1486.86,1330.86) 1486.86,1345 ccw(c1486.86,1359.14) v2@1496.86,1349.14 ; v2@1505.14,1340.86 cw(c1515.14,1330.86) 1515.14,1345 cw(c1515.14,1359.14) v2@1505.14,1349.14 ; M1.5@1832.8,1296.73 ccw(c1768.76,1296.73) 1814.04,1342.02 ccw(c1859.33,1387.3) M1.5@1859.33,1323.26 ; M1.5@1838.8,1296.73 ccw(c1789.24,1296.73) 1824.29,1331.78 ccw(c1859.33,1366.81) M1.5@1859.33,1317.26 ; M1.5@1844.8,1296.73 ccw(c1809.73,1296.73) 1834.53,1321.53 ccw(c1859.33,1346.33) M1.5@1859.33,1311.26
  Bottom Layer w6: U5.30@403.06,1462.52 403.54,1462.05 562.94,1462.05 615.42,1409.56 909.88,1409.56 970.44,1349 1078.57,1349 1079.57,1348 1178,1348 1225,1395 v1(1257,1395) ; U5.30@425.26,1463.46 ccw(c428.68,1466.88) 428.68,1462.05 ; v1@1250.77,1388.77 ccw(c1235.73,1373.73) 1235.73,1395 ccw(c1235.73,1416.27) v1@1250.77,1401.23 ; P21.1@1492.51,1317.49 ccw(c1472.03,1337.97) 1501,1337.97 ccw(c1529.97,1337.97) P21.1@1509.49,1317.49 ; v2@1495.93,1342.07 cw(c1478.3,1331.89) 1497.96,1326.63 ; v2@1496.86,1340.86 cw(c1486.86,1330.86) 1501,1330.86 cw(c1515.14,1330.86) v2@1505.14,1340.86 ; v2@1498.07,1339.93 cw(c1494.11,1333.06) 1501.77,1335.11 ; 1500.23,1335.11 cw(c1507.89,1333.06) v2@1503.93,1339.93 ; P21.1@1501,1309 v2(1501,1345) ; 1504.04,1326.63 cw(c1523.7,1331.89) v2@1506.07,1342.07
ENA: E1.1 P1.5 P1.7 | length 1439.7
  Bottom Layer w6: P1.5@1220.47,2618.11 P1.7@1283.46,2618.11 P1.7@1283.46,2720.47 ; P1.5@1220.47,2720.47 P1.7@1283.46,2720.47 ; P1.5@1226.7,2611.88 cw(c1241.75,2596.84) 1241.75,2618.11 cw(c1241.74,2639.38) P1.5@1226.7,2624.34 ; P1.5@1226.7,2714.24 cw(c1241.75,2699.2) 1241.75,2720.47 cw(c1241.74,2741.74) P1.5@1226.7,2726.7 ; P1.7@1277.23,2611.88 ccw(c1262.19,2596.84) 1262.19,2618.11 ccw(c1262.2,2639.38) P1.7@1277.23,2624.34 ; P1.7@1277.23,2628.28 ccw(c1262.19,2643.32) 1283.46,2643.32 ccw(c1304.74,2643.32) P1.7@1289.69,2628.28 ; P1.7@1277.23,2710.31 cw(c1262.19,2695.26) 1283.46,2695.26 cw(c1304.74,2695.26) P1.7@1289.69,2710.31 ; P1.7@1277.23,2714.24 ccw(c1262.19,2699.2) 1262.19,2720.47 ccw(c1262.19,2741.74) P1.7@1277.23,2726.7 ; P1.7@1277.23,2730.64 ccw(c1262.19,2745.68) 1283.46,2745.68 ccw(c1304.74,2745.68) P1.7@1289.69,2730.64 ; E1.1@1667.98,2899.48 ccw(c1605.9,2837.39) 1605.9,2925.2 ccw(c1605.9,3013) E1.1@1667.98,2950.91 ; E1.1@1672.23,2903.72 ccw(c1620.38,2851.88) 1620.38,2925.2 ccw(c1620.38,2998.52) E1.1@1672.23,2946.67 ; E1.1@1676.47,2907.96 ccw(c1634.87,2866.36) 1634.87,2925.2 ccw(c1634.87,2984.03) E1.1@1676.47,2942.43 ; E1.1@1680.71,2912.21 ccw(c1649.35,2880.85) 1649.35,2925.2 ccw(c1649.35,2969.55) E1.1@1680.71,2938.19 ; E1.1@1693.7,2925.2 1373.35,2925.2 1283.46,2835.32 P1.7@1283.46,2720.47
ENA-F: C7.1 P2.6 P2.8 U5.62 | length 3186.3
  Top Layer w6: v1(705,2030) 815,2140 2887.8,2140 v1(2928.82,2181.02) v1(2928.82,2244.02) ; v1@705,2038.81 ccw(c705,2060.08) 720.04,2045.04 ccw(c735.08,2030) v1@713.81,2030 ; 2907.06,2159.26 ccw(c2885.29,2181.02) P2.6@2916.07,2181.02 ; 2916.56,2168.77 cw(c2924.88,2160.45) P2.6@2924.88,2172.21 ; P2.6@2917.3,2169.5 ccw(c2905.78,2181.02) P2.6@2922.07,2181.02 ; P2.6@2920.01,2181.02 cw(c2898.74,2181.02) 2913.78,2165.98 cw(c2928.82,2150.94) P2.6@2928.82,2172.21 ; 2928.82,2202.29 cw(c2907.55,2202.29) 2922.59,2187.25 ccw(c2907.55,2202.3) 2928.82,2202.3 ; 2928.82,2202.29 ccw(c2950.09,2202.29) 2935.05,2187.25 cw(c2950.09,2202.3) 2928.82,2202.3 ; 2928.82,2222.74 cw(c2950.09,2222.74) 2935.05,2237.78 ccw(c2950.09,2222.74) 2928.82,2222.74 ; 2928.82,2222.74 ccw(c2907.55,2222.74) 2922.59,2237.78 cw(c2907.55,2222.74) 2928.82,2222.74
  Bottom Layer w6: U5.62@700.31,1936.94 700.44,1937.06 700.44,1996.58 700.31,1996.7 700.31,2025.31 v1(705,2030) ; 700.31,1997.42 cw(c737.58,1997.42) v1@711.23,2023.77 ; 700.31,2011.9 cw(c723.1,2011.9) v1@706.99,2028.01 ; C7.1@2778,2255 2917.83,2255 v1(2928.82,2244.02) ; C7.1@2782.77,2250.23 cw(c2794.29,2238.71) 2794.29,2255 cw(c2794.29,2271.29) C7.1@2782.77,2259.77 ; C7.1@2787.01,2245.99 cw(c2808.78,2224.22) 2808.78,2255 cw(c2808.78,2285.78) C7.1@2787.01,2264.01 ; 2877.09,2255 cw(c2877.09,2196.23) P2.8@2918.65,2237.79 ; 2891.58,2255 cw(c2891.58,2210.71) P2.8@2922.89,2242.03 ; 2905.29,2247.16 ccw(c2912.36,2257.23) P2.8@2921.95,2249.53 ; 2905.38,2252.14 ccw(c2915.34,2269.39) P2.8@2924.69,2251.8 ; 2906.06,2255 cw(c2906.06,2225.2) P2.8@2927.14,2246.27 ; 2910.53,2243.49 ccw(c2917.36,2253.22) P2.8@2926.63,2245.78 ; P2.8@2913.22,2254.3 cw(c2906.38,2242.46) P2.8@2920.03,2243.41 ; P2.8@2913.28,2254.27 ccw(c2922.02,2269.4) P2.8@2926.54,2252.53 ; P2.8@2914.76,2246.72 ccw(c2921.33,2258.11) P2.8@2927.5,2246.5 ; P2.8@2915.77,2239.81 ccw(c2922.36,2249.2) P2.8@2931.31,2242.02
ENB: E1.3 P1.1 P1.3 | length 1609.2
  Bottom Layer w6: P1.1@1094.49,2618.11 P1.3@1157.48,2618.11 P1.3@1157.48,2720.47 ; P1.1@1094.49,2720.47 P1.3@1157.48,2720.47 ; P1.1@1100.72,2611.88 cw(c1115.76,2596.84) 1115.76,2618.11 cw(c1115.76,2639.38) P1.1@1100.72,2624.34 ; P1.1@1100.72,2714.24 cw(c1115.76,2699.2) 1115.76,2720.47 cw(c1115.76,2741.74) P1.1@1100.72,2726.7 ; P1.3@1151.25,2611.88 ccw(c1136.21,2596.84) 1136.21,2618.11 ccw(c1136.21,2639.38) P1.3@1151.25,2624.34 ; P1.3@1151.25,2628.28 ccw(c1136.21,2643.32) 1157.48,2643.32 ccw(c1178.75,2643.32) P1.3@1163.71,2628.28 ; P1.3@1151.25,2710.31 cw(c1136.21,2695.26) 1157.48,2695.26 cw(c1178.75,2695.26) P1.3@1163.71,2710.31 ; P1.3@1151.25,2714.24 ccw(c1136.21,2699.2) 1136.21,2720.47 ccw(c1136.21,2741.74) P1.3@1151.25,2726.7 ; P1.3@1151.25,2730.64 ccw(c1136.21,2745.68) 1157.48,2745.68 ccw(c1178.75,2745.68) P1.3@1163.71,2730.64 ; E1.3@1667.98,3096.33 ccw(c1605.9,3034.24) 1605.9,3122.05 ccw(c1605.9,3209.85) E1.3@1667.98,3147.76 ; E1.3@1672.23,3100.57 ccw(c1620.38,3048.73) 1620.38,3122.05 ccw(c1620.38,3195.37) E1.3@1672.23,3143.52 ; E1.3@1676.47,3104.81 ccw(c1634.87,3063.21) 1634.87,3122.05 ccw(c1634.87,3180.88) E1.3@1676.47,3139.28 ; E1.3@1680.71,3109.06 ccw(c1649.35,3077.7) 1649.35,3122.05 ccw(c1649.35,3166.4) E1.3@1680.71,3135.04 ; E1.3@1693.7,3122.05 1509.2,3122.05 1157.48,2770.33 P1.3@1157.48,2720.47
ENB-F: C9.1 P2.2 P2.4 U5.63 | length 3009.7
  Top Layer w6: v1(744,2031) 744,2035.56 837.44,2129 2628.03,2129 2639,2118.03 v1(2928.82,2118.03) v1(2928.82,2055.04) ; v1@744,2039.81 ccw(c744,2050.08) 751.26,2042.82 ; v1@746.81,2031 cw(c764.6,2031) 752.02,2043.58 ; v1@752.81,2031 cw(c785.08,2031) 762.26,2053.82 ; P2.4@2918.65,2111.8 ccw(c2903.61,2096.76) 2903.61,2118.03 ccw(c2903.61,2139.3) P2.4@2918.65,2124.26 ; P2.4@2922.59,2124.26 cw(c2907.55,2139.3) 2907.55,2118.03 cw(c2907.55,2096.76) P2.4@2922.59,2111.8 ; P2.4@2922.59,2111.8 cw(c2907.55,2096.76) 2928.82,2096.76 ; P2.4@2922.59,2111.8 cw(c2907.55,2096.76) 2928.82,2096.76 ; 2928.82,2076.31 cw(c2907.55,2076.31) 2922.59,2061.27 ccw(c2907.55,2076.31) 2928.82,2076.31 ; 2928.82,2076.31 ccw(c2950.09,2076.31) 2935.05,2061.27 cw(c2950.09,2076.31) 2928.82,2076.31 ; 2928.82,2096.76 cw(c2950.09,2096.76) 2935.05,2111.8 ccw(c2950.09,2096.76) 2928.82,2096.76
  Bottom Layer w6: U5.63@720,1936.94 720,2007 v1(744,2031) ; v1@735.19,2031 cw(c713.92,2031) 728.96,2015.96 cw(c744,2000.92) v1@744,2022.19 ; C9.1@2778.01,2145 cw(c2778.31,2121.61) 2794.85,2138.15 ; C9.1@2778,2155 2814.97,2118.03 ; C9.1@2778.09,2139 cw(c2778.57,2101.75) 2804.91,2128.09 ; C9.1@2778.16,2133 cw(c2778.82,2081.89) 2814.97,2118.03 ; C9.1@2790.75,2145.75 ccw(c2799.19,2145.75) C9.1@2793.22,2139.78 ; P2.4@2918.65,2111.8 ccw(c2903.61,2096.76) 2903.61,2118.03 ccw(c2903.61,2139.3) P2.4@2918.65,2124.26 ; P2.4@2922.59,2111.8 ccw(c2907.55,2096.76) 2907.55,2118.03 ccw(c2907.55,2139.3) P2.4@2922.59,2124.26 ; v1(2928.82,2118.03) 2814.97,2118.03
ENCOM: E1.2 E1.4 E1.7 P1.13 P1.15 | length 3156.2
  Top Layer w6: E1.7@1393.7,3251.97 1465.35,3251.97 ; E1.7@1446.49,3244.1 cw(c1457.19,3240.76) 1457.19,3251.97 cw(c1457.19,3263.18) E1.7@1446.49,3259.84 ; E1.7@1452.22,3242.31 cw(c1465.35,3238.22) 1465.35,3251.97 ; E1.7@1452.22,3261.63 ccw(c1465.35,3265.72) 1465.35,3251.97 ; E1.2@1657.33,3023.62 ccw(c1569.53,3023.62) 1631.61,3085.71 ccw(c1693.7,3147.8) E1.2@1693.7,3059.99 ; E1.2@1663.33,3023.62 ccw(c1590.01,3023.62) 1641.86,3075.47 ccw(c1693.7,3127.31) E1.2@1693.7,3053.99 ; E1.2@1669.33,3023.62 ccw(c1610.5,3023.62) 1652.1,3065.22 ccw(c1693.7,3106.83) E1.2@1693.7,3047.99 ; E1.2@1675.33,3023.62 ccw(c1630.98,3023.62) 1662.34,3054.98 ccw(c1693.7,3086.34) E1.2@1693.7,3041.99 ; E1.2@1693.7,3023.62 1465.35,3251.97
  Bottom Layer w6: E1.4@1118.7,3122.05 1248.62,3251.97 E1.7@1393.7,3251.97 ; E1.4@1118.7,3140.42 ccw(c1118.7,3184.77) 1150.06,3153.41 ccw(c1181.42,3122.05) E1.4@1137.07,3122.05 ; E1.4@1118.7,3146.42 ccw(c1118.7,3205.25) 1160.3,3163.65 ccw(c1201.91,3122.05) E1.4@1143.07,3122.05 ; E1.4@1118.7,3152.42 ccw(c1118.7,3225.74) 1170.55,3173.89 ccw(c1222.39,3122.05) E1.4@1149.07,3122.05 ; E1.4@1118.7,3158.42 ccw(c1118.7,3246.22) 1180.79,3184.13 ccw(c1242.88,3122.05) E1.4@1155.07,3122.05 ; E1.7@1343.21,3229.04 ccw(c1287.84,3173.67) 1287.84,3251.97 ccw(c1287.84,3330.27) E1.7@1343.21,3274.9 ; E1.7@1347.45,3233.28 ccw(c1302.33,3188.15) 1302.33,3251.97 ccw(c1302.33,3315.78) E1.7@1347.45,3270.66 ; E1.7@1351.69,3237.52 ccw(c1316.81,3202.64) 1316.81,3251.97 ccw(c1316.81,3301.3) E1.7@1351.69,3266.42 ; P1.13@1466.21,2628.28 ccw(c1451.17,2643.32) 1472.44,2643.32 ccw(c1493.71,2643.32) P1.13@1478.67,2628.28 ; P1.13@1466.21,2710.31 cw(c1451.17,2695.26) 1472.44,2695.26 cw(c1493.71,2695.26) P1.13@1478.67,2710.31 ; P1.13@1478.67,2611.88 cw(c1493.71,2596.84) 1493.71,2618.11 cw(c1493.71,2639.38) P1.13@1478.67,2624.34 ; P1.13@1478.67,2714.24 cw(c1493.71,2699.2) 1493.71,2720.47 cw(c1493.71,2741.74) P1.13@1478.67,2726.7 ; P1.15@1529.2,2611.88 ccw(c1514.16,2596.84) 1514.16,2618.11 ccw(c1514.16,2639.38) P1.15@1529.2,2624.34 ; P1.15@1529.2,2714.24 ccw(c1514.16,2699.2) 1514.16,2720.47 ccw(c1514.16,2741.74) P1.15@1529.2,2726.7 ; P1.15@1531.31,2732.2 ccw(c1527.68,2739.05) 1535.43,2739.05 ; P1.15@1532.24,2724.41 cw(c1559.88,2724.41) 1540.34,2743.95 ; P1.15@1535.43,2618.11 P1.13@1472.44,2618.11 P1.13@1472.44,2720.47 P1.15@1535.43,2720.47 1535.43,2739.05 ; P1.15@1538.24,2724.41 cw(c1580.37,2724.41) 1550.58,2754.2 ; P1.15@1539.56,2732.2 cw(c1543.19,2739.05) 1535.43,2739.05 ; P1.15@1544.24,2724.41 cw(c1600.86,2724.41) 1560.83,2764.44 ; E1.2@1693.7,3023.62 1744.2,2973.13 ; E1.2@1697.51,2999.55 cw(c1702.94,2965.19) 1727.53,2989.79 cw(c1752.13,3014.39) E1.2@1717.77,3019.82 ; E1.2@1698.44,2993.62 cw(c1705.21,2950.8) 1735.86,2981.46 cw(c1766.52,3012.11) E1.2@1723.7,3018.88 ; E1.2@1699.38,2987.7 cw(c1707.48,2936.42) 1744.19,2973.13 ; E1.2@1729.63,3017.94 ccw(c1780.91,3009.84) 1744.2,2973.13 ; 1535.43,2739.05 1567.43,2771.05 1632.2,2771.05 1744.2,2883.05 1744.2,2973.13
ENPHOTORES: R1.2 U5.25 | length 1427.4
  Top Layer w6: R1.2@236.14,2333.31 cw(c236.14,2293.03) 264.62,2321.52 cw(c293.11,2350) R1.2@252.83,2350 ; R1.2@236.14,2339.31 cw(c236.14,2313.52) 254.38,2331.76 cw(c272.62,2350) R1.2@246.83,2350 ; R1.2@236.14,2350 271.2,2314.94 271.2,1824.21 270.85,1823.87 270.85,1333.39 v1(271.2,1333.05) ; v1@264.97,1339.28 ccw(c250.76,1353.49) 270.85,1353.49 ; 270.85,1355.15 ccw(c293.3,1355.15) v1@277.43,1339.28
  Bottom Layer w6: v1@271.2,1324.24 cw(c271.2,1302.96) 286.24,1318.01 cw(c301.28,1333.05) v1@280.01,1333.05 ; v1(271.2,1333.05) 301.2,1303.05 U5.25@483.78,1303.06
ENSW: E1.5 P1.9 P1.11 | length 1260.6
  Top Layer w6: E1.5@1118.7,2888.83 cw(c1118.7,2801.02) 1180.79,2863.11 cw(c1242.88,2925.2) E1.5@1155.07,2925.2 ; E1.5@1118.7,2894.83 cw(c1118.7,2821.51) 1170.55,2873.35 cw(c1222.39,2925.2) E1.5@1149.07,2925.2 ; E1.5@1118.7,2900.83 cw(c1118.7,2841.99) 1160.3,2883.59 cw(c1201.91,2925.2) E1.5@1143.07,2925.2 ; E1.5@1118.7,2906.83 cw(c1118.7,2862.48) 1150.06,2893.84 cw(c1181.42,2925.2) E1.5@1137.07,2925.2 ; E1.5@1118.7,2925.2 1261.85,2782.05 v1(1306.46,2782.05) ; v1@1300.23,2775.82 ccw(c1285.19,2760.78) 1285.19,2782.05 ccw(c1285.19,2803.32) v1@1300.23,2788.28
  Bottom Layer w6: v1@1306.46,2773.24 cw(c1306.46,2751.96) 1321.5,2767.01 cw(c1336.54,2782.05) v1@1315.27,2782.05 ; v1(1306.46,2782.05) 1346.46,2742.05 ; P1.9@1341.17,2731.45 ccw(c1333.21,2742.05) 1346.46,2742.05 ; P1.9@1346.46,2618.11 P1.11@1409.45,2618.11 P1.11@1409.45,2720.47 P1.9@1346.46,2720.47 1346.46,2742.05 ; P1.9@1351.75,2731.45 cw(c1359.7,2742.05) 1346.46,2742.05 ; P1.9@1352.69,2611.88 cw(c1367.73,2596.84) 1367.73,2618.11 cw(c1367.73,2639.38) P1.9@1352.69,2624.34 ; P1.9@1352.69,2714.24 cw(c1367.73,2699.2) 1367.73,2720.47 cw(c1367.73,2741.74) P1.9@1352.69,2726.7 ; P1.11@1403.22,2611.88 ccw(c1388.17,2596.84) 1388.17,2618.11 ccw(c1388.18,2639.38) P1.11@1403.22,2624.34 ; P1.11@1403.22,2628.28 ccw(c1388.18,2643.32) 1409.45,2643.32 ccw(c1430.72,2643.32) P1.11@1415.68,2628.28 ; P1.11@1403.22,2710.31 cw(c1388.18,2695.26) 1409.45,2695.26 cw(c1430.72,2695.26) P1.11@1415.68,2710.31 ; P1.11@1403.22,2714.24 ccw(c1388.18,2699.2) 1388.18,2720.47 ccw(c1388.18,2741.74) P1.11@1403.22,2726.7
ENSW-F: C8.2 P2.10 P2.12 U5.61 | length 3089.2
  Top Layer w6: v1@674.4,1994.6 ccw(c659.36,2009.64) 680.63,2009.64 ccw(c701.9,2009.64) v1@686.86,1994.6 ; v1(680.63,1988.37) 680.63,2037.63 795,2152 2773.81,2152 v1(2928.82,2307.01) v1(2928.82,2370) ; 2907.06,2285.24 ccw(c2885.29,2307.01) P2.10@2916.07,2307.01 ; 2916.56,2294.75 cw(c2924.88,2286.43) P2.10@2924.88,2298.2 ; P2.10@2917.3,2295.49 ccw(c2905.78,2307.01) P2.10@2922.07,2307.01 ; P2.10@2920.01,2307.01 cw(c2898.74,2307.01) 2913.78,2291.97 cw(c2928.82,2276.92) P2.10@2928.82,2298.2 ; 2928.82,2328.28 cw(c2907.55,2328.28) 2922.59,2313.24 ccw(c2907.55,2328.28) 2928.82,2328.28 ; 2928.82,2328.28 ccw(c2950.09,2328.28) 2935.05,2313.24 cw(c2950.09,2328.28) 2928.82,2328.28 ; 2928.82,2348.73 cw(c2950.09,2348.73) 2935.05,2363.77 ccw(c2950.09,2348.73) 2928.82,2348.73 ; 2928.82,2348.73 ccw(c2907.55,2348.73) 2922.59,2363.77 cw(c2907.55,2348.73) 2928.82,2348.73
  Bottom Layer w6: v1@674.4,1982.14 cw(c659.36,1967.1) 680.63,1967.1 cw(c701.9,1967.1) v1@686.86,1982.14 ; U5.61@680.63,1936.94 v1(680.63,1988.37) ; C8.2@2778.93,2355 2913.82,2355 ; C8.2@2783.7,2350.23 cw(c2795.22,2338.71) 2795.22,2355 cw(c2795.22,2371.29) C8.2@2783.7,2359.77 ; C8.2@2787.94,2345.99 cw(c2809.71,2324.22) 2809.71,2355 cw(c2809.71,2385.78) C8.2@2787.94,2364.01 ; 2916.56,2357.74 cw(c2924.88,2349.42) P2.12@2924.88,2361.19 ; P2.12@2916.57,2367.08 cw(c2905.59,2363.22) 2913.82,2355 ; P2.12@2920.01,2369.98 cw(c2898.88,2369.94) 2913.82,2355 ; P2.12@2928.8,2361.19 ccw(c2928.76,2340.06) 2913.82,2355 ; v1(2928.82,2370) 2913.82,2355
EXTAL1: C21.2 U5.12 U6.2 | length 815.9
  Top Layer w6: U6.2@785.09,1129.03 cw(c737.02,1080.96) v1@805,1080.96 ; U6.2@789.33,1133.27 cw(c751.51,1095.44) 805,1095.44 ; U6.2@793.57,1137.51 cw(c765.99,1109.93) 805,1109.93 ; v1@797.59,1084.76 ccw(c779.11,1096.64) 800.57,1101.31 ; v1@798.77,1086.23 ccw(c783.73,1101.27) 805,1101.27 ccw(c826.27,1101.27) v1@811.23,1086.23 ; 800.78,1100.35 ccw(c820.89,1104.72) v1@809.76,1087.41 ; v1(805,1080) U6.2@805,1141.06 ; 805,1099.96 cw(c846.1,1099.96) U6.2@817.04,1129.03 ; 805,1114.45 cw(c831.61,1114.45) U6.2@812.79,1133.27
  Bottom Layer w6: U5.12@739.68,1303.06 739.68,1206.38 U6.2@801.06,1145 ; 772.74,1173.32 cw(c744.42,1145) U6.2@784.47,1145 ; 772.74,1173.32 ccw(c801.06,1201.65) U6.2@801.06,1161.59 ; U6.2@778.47,1145 ccw(c723.94,1145) 762.5,1183.56 ccw(c801.06,1222.13) U6.2@801.06,1167.59 ; C21.2@795.99,1027.94 ccw(c774.22,1049.71) 805,1049.71 ccw(c835.78,1049.71) C21.2@814.01,1027.94 ; v1@798.77,1073.77 cw(c783.73,1058.73) 805,1058.73 cw(c826.27,1058.73) v1@811.23,1073.77 ; C21.2@800.23,1023.7 ccw(c788.71,1035.22) 805,1035.22 ccw(c821.29,1035.22) C21.2@809.77,1023.7 ; C21.2@805,1018.93 v1(805,1080) ; U6.2@811.06,1145 U6.2@816.97,1139.09
EXTAL2: C23.2 U5.13 U6.1 | length 673.9
  Bottom Layer w6: U6.1@592.96,1129.03 cw(c530.26,1066.32) 618.94,1066.32 ; U6.1@597.21,1133.27 cw(c544.74,1080.81) 618.94,1080.81 ; U6.1@601.45,1137.51 cw(c559.23,1095.29) 618.94,1095.29 ; U6.1@605.69,1141.75 cw(c573.71,1109.78) 618.94,1109.78 ; U6.1@608.94,1145 613.75,1149.81 U6.1@623.75,1149.81 ; C23.2@611.1,988.02 ccw(c592.2,1006.93) 618.94,1006.93 ; 618.94,998.15 ccw(c639.26,998.15) C23.2@624.89,983.78 ; 618.94,1012.64 ccw(c653.75,1012.64) C23.2@629.13,988.02 ; 618.94,1114.6 cw(c639.33,1114.6) U6.1@624.91,1129.03 ; C23.2@620.12,979.01 618.94,980.19 618.94,1145 U6.1@623.75,1149.81 ; U5.13@720,1303.06 720,1246.06 U6.1@623.75,1149.81
GND: BAT_3.7V.2 C1.2 C2.2 C3.2 C4.1 C5.C C6.C C7.2 C8.1 C9.2 C12.C C13.C C14.2 C15.C C16.C C17.2 C18.2 C19.2 C20.2 C21.1 C22.2 C23.1 C24.1 C25.1 C26.1 C27.2 C28.1 C29.2 C30.1 GND.1 JTAG.3 LCD.5 LCD.34 M1.1 P2.14 P2.16 P6.6 P6.8 P7.6 P7.8 P8.3 P9.4 P10.4 P11.4 Q2.1 Q4.1 Q5.1 Q6.1 R6.2 R7.2 R9.2 R13.2 R16.1 R17.2 R23.1 RST1.1 S1.3 S2.3 Stick-th-dr.3 Stick-th-dr.4 Stick-th-dr.9 Stick-ud-lr.3 Stick-ud-lr.4 Stick-ud-lr.7 Stick-ud-lr.9 SWD.4 U3.2 U4.2 U5.10 U5.19 U5.20 U5.27 U5.49 U5.74 U5.99 U8.1 U8.11 U8.18 U8.25 USB.GND
  other v1: -307,-77 3091,-15 1623,121 52,283 2074,314 409,329 1370,446 899,456 1399,457 1347,462 1376,476 1351,492 2731,590 647,662 2192,703 -240,708 3122,714 1623,738 191,742 1047,1030 1777,1052 1600,1087 1041,1103 2199,1111 1040,1149 1422,1227 2205,1295 192,1298 1592,1298 1339,1307 1235,1331 2284,1422 1596,1432 845,1453 1390,1459 -317,1465 1257,1467 837,1498 1388,1611 1804,1642 1296,1671 841,1702 770,1707 2042,1806 685,1825 -19,1847 493,1853 1546,1940 2423,1948 -462,1952 339,1992 1745,2028 188,2035 8,2047 532,2218 15,2220 1745,2243 2423,2256 1409,2415 2928.82,2432.99 139,2451 2928.82,2495.99 301,2539 -147,2552 -352.13,2719.13 -290.1,2730.07 1543,2826 499,2944 1535,2985 2295,3033 1293,3064 2469,3122